# Altium PCB rpi_ERC.PcbDoc
Units mm, origin at the board's own origin, x right, y up, seen from the top; angles counter-clockwise.
Board outline 56 x 76 mm, 2 copper layers (Top Layer, Bottom Layer); 5 components, 10 nets, 71 pads, 1 vias.
Unrouted connection lines stored in the file: 1.
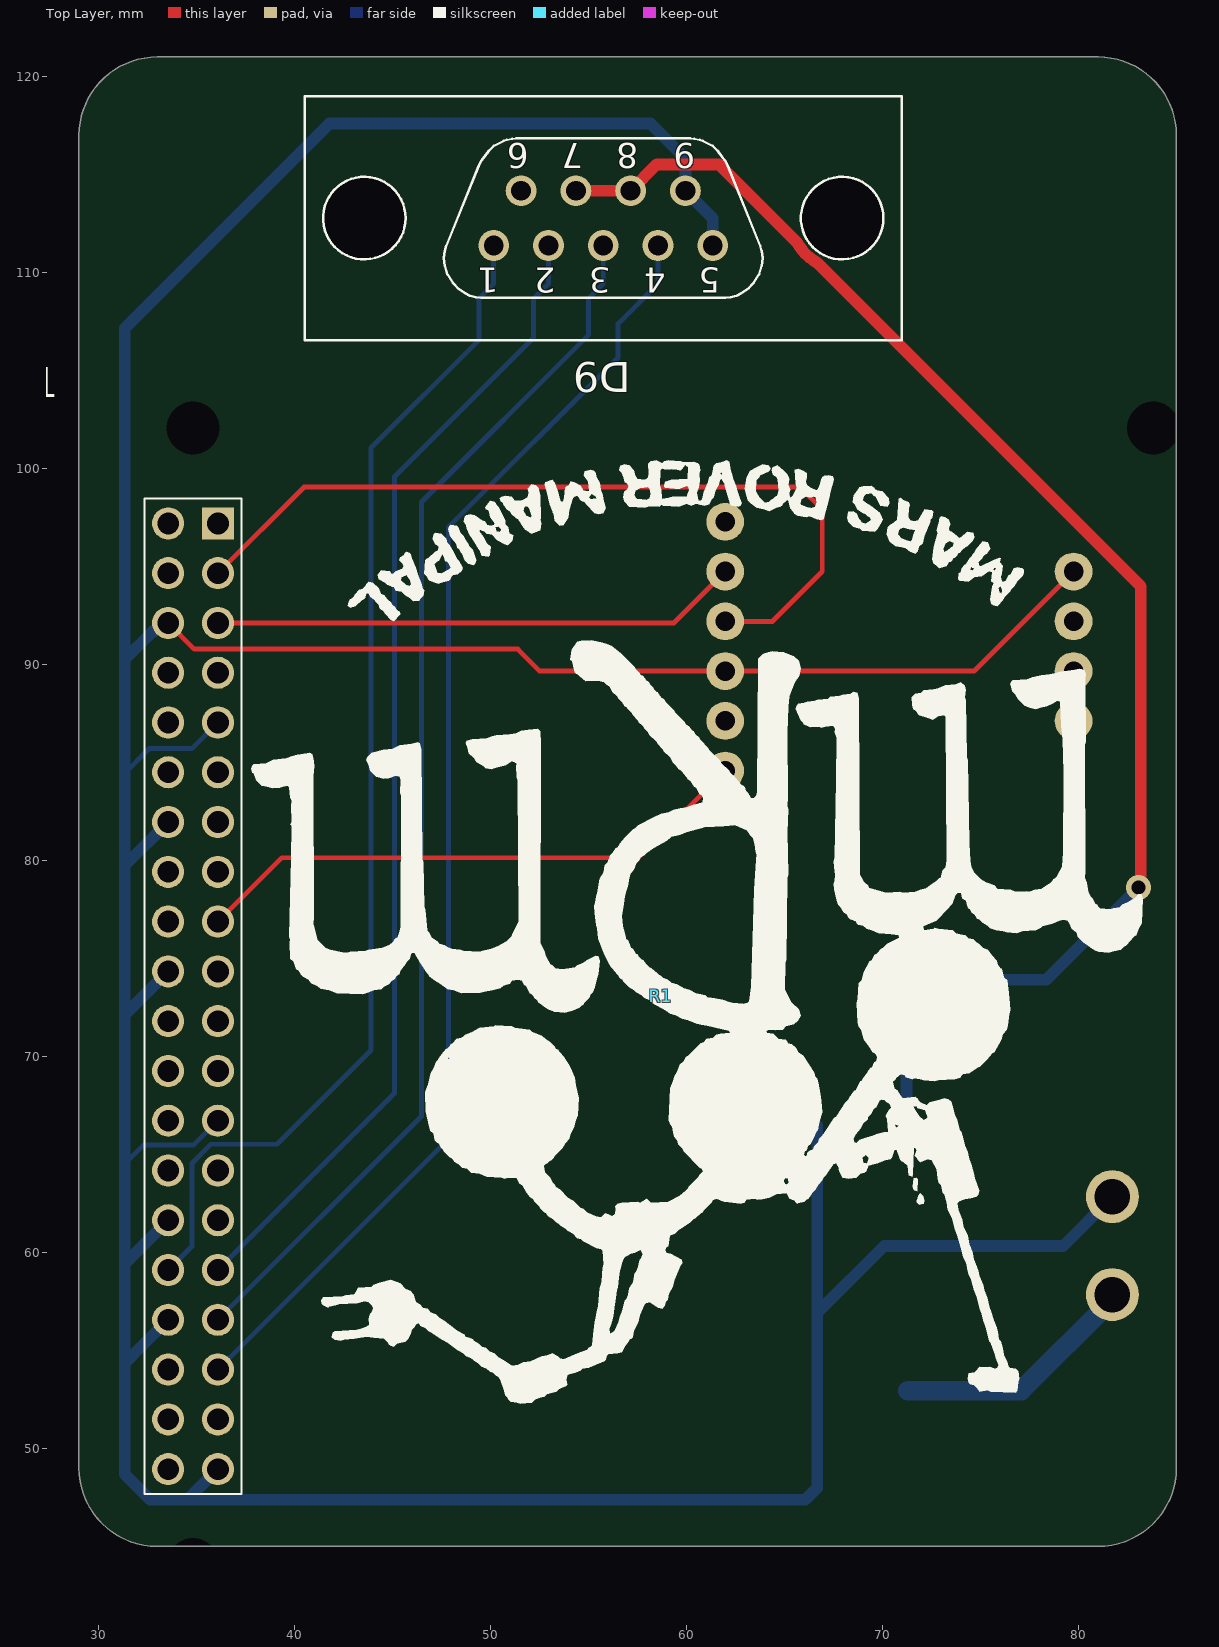
[diagram p0: Top Layer view]
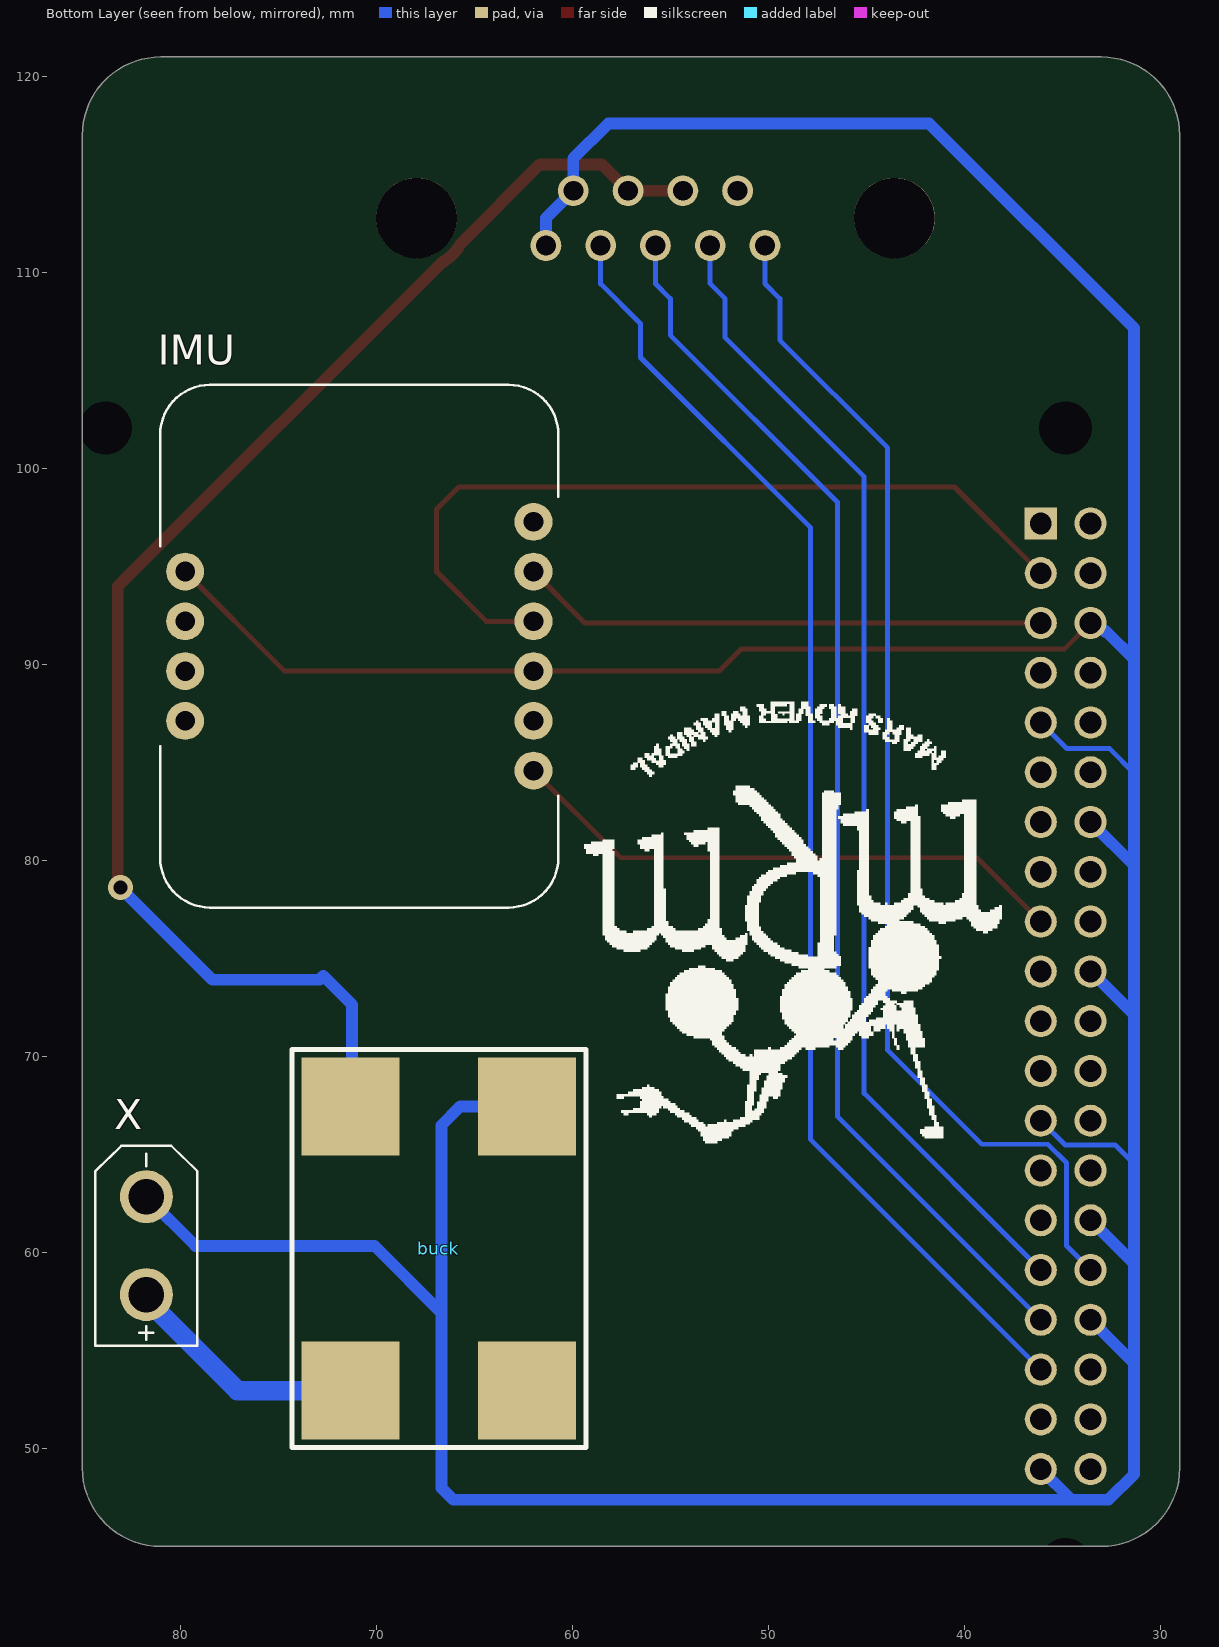
[diagram p1: Bottom Layer view, seen from below]

## Layer stack, top to bottom
Top Solder: solder mask 0.0102, Solder Resist, Dk 3.5
Top Layer: signal copper 0.0356
Dielectric 1: dielectric 0.32, FR-4, Dk 4.8
Bottom Layer: signal copper 0.0356
Bottom Solder: solder mask 0.0102, Solder Resist, Dk 3.5

## Board outline
33,45 cw(c33,49) 29,49 29,117 cw(c33,117) 33,121 81,121 cw(c81,117) 85,117 85,49 cw(c81,49) 81,45

## Design rules (kind name [scope] priority, off if disabled: settings)
Clearance [All] p1: gap=0.254 ignorepadtopadclearanceinfootprint=FALSE
PolygonConnect [All] p1: connectstyle=Relief reliefconductorwidth=0.254 reliefentries=4 polygonreliefangle="90 Angle" airgapwidth=0.254
RoutingVias [All] p1: holewidth=0.711 width=1.27 viastyle="Through Hole" minholewidth=0.711 minwidth=1.27 maxholewidth=0.711 maxwidth=1.27
SolderMaskExpansion [All] p1: expansion=0.102 istentingtop=FALSE
SupplyNets "Schematic Supply Nets_1" [InNet('+12')] p1: voltage=0.000
SupplyNets "Schematic Supply Nets" [InNet('GND')] p2: voltage=0.000
Width [All] p1: maxlimit=2 minlimit=0.254 preferedwidth=0.254 minimp=50.000000 maximp=50.000000 favimp=50.000000
30 further rules are at their usual default settings.

## Components (designator, comment, footprint, x,y, rotation, side; value= is the part's Value field where it differs from the comment)
buck "microbuck" "Micro buck" 66.802,60.198 r180 bottom
D9 "DB9F" D-09F 55.753,112.776 r180 top
IMU "2472" MODULE_2472 70.866,90.932 r90 bottom
R1 "7-534206-0" RASPBERRYPI4B4GB 36.09,97.199 r90 top
X "XT30UPB-M" XT30UPB-M 81.733,60.341 r90 bottom

## Footprints (in the part's own frame and the unit in brackets; to place one, negate y for a bottom-side part, rotate by r counter-clockwise, add the part's x,y. Pads: shape width x height; smd on the part's side, far side on the other; paste and mask are expansions set on the pad)
D-09F [mil]
  round 62 hole 40: 1(220,55) 2(110,55) 3(0,55) 4(-110,55) 5(-220,55) 6(165,-55) 7(55,-55) 8(-55,-55) 9(-165,-55)
  round 162 hole 162 unplated: ""(-480,0) ""(480,0)
  silkscreen extent -600,-245 600,245
"Micro buck" [mm]
  rect 5x5 smd: 1(-4.5,7.25) 2(4.5,7.25) 3(-4.5,-7.25) 4(4.5,-7.25)
  silkscreen extent -7.5,-10.16 7.5,10.16
MODULE_2472 [mil]
  round 76 hole 39.37: 1(-250,-350) 2(-150,-350) 3(-50,-350) 4(50,-350) 5(150,-350) 6(250,-350) 7(150,350) 8(50,350) 9(-50,350) 10(-150,350)
  silkscreen extent -525,-400 525,400, body extent -525,-400 525,400, height 167
RASPBERRYPI4B4GB [mm]
  rect 1.64x1.64 hole 1.11: 1(0,0)
  round 1.64 hole 1.11: 2(0,2.54) 3(-2.54,0) 4(-2.54,2.54) 5(-5.08,0) 6(-5.08,2.54) 7(-7.62,0) 8(-7.62,2.54) 9(-10.16,0) 10(-10.16,2.54) 11(-12.7,0) 12(-12.7,2.54) 13(-15.24,0) 14(-15.24,2.54) 15(-17.78,0) 16(-17.78,2.54) 17(-20.32,0) 18(-20.32,2.54) 19(-22.86,0) 20(-22.86,2.54) 21(-25.4,0) 22(-25.4,2.54) 23(-27.94,0) 24(-27.94,2.54) 25(-30.48,0) 26(-30.48,2.54) 27(-33.02,0) 28(-33.02,2.54) 29(-35.56,0) 30(-35.56,2.54) 31(-38.1,0) 32(-38.1,2.54) 33(-40.64,0) 34(-40.64,2.54) 35(-43.18,0) 36(-43.18,2.54) 37(-45.72,0) 38(-45.72,2.54) 39(-48.26,0) 40(-48.26,2.54)
  round 1.35 hole 2.7 unplated: 41(4.87,1.27) 42(-53.13,1.27) 43(-53.13,-47.73) 44(4.87,-47.73)
  silkscreen extent -49.53,-1.2 1.27,3.74, body extent -80.63,-53.62 8.36,4.78, height 22.43
XT30UPB-M [mm]
  round 2.7 hole 1.8: P$1(-2.5,0) P$2(2.5,0)
  silkscreen extent -5.1,-2.6 5.1,2.6

## Part data
D9: "Adapter Connector D-Sub, 9 Pin Female To Modular, Female Jack, 8p8c _RJ45_ Beige", Package=None, Availability=Unavailable, MF="Assmann WSW", MP=DB9F, Price=None, SnapEDA_Link=https://www.snapeda.com/parts/DB9F/Assmann%20WSW%20Components/view-part/558712/?ref=snap
IMU: "Adafruit 9-DOF Absolute Orientation IMU Fusion Breakout - BNO055", Package="Non-Standard Adafruit", Check_prices=https://www.snapeda.com/parts/2472/Adafruit+Industries/view-part/?ref=eda, MF=Adafruit, MP=2472, SnapEDA_Link=https://www.snapeda.com/parts/2472/Adafruit+Industries/view-part/?ref=snap
R1: "Connector Socket Strip Receptacle 40 Position 2.54mm Solder Straight Through Hole Gang Of Tubes", Package=None, Availability=Unavailable, Centerline_Pitch="2.54 mm[.1 in]", EU_RoHS_Compliance=Compliant, MF="TE Connectivity", MP=7-534206-0, Number_of_Positions=40, Price=None, Product_Type=Connector, SnapEDA_Link=https://www.snapeda.com/parts/7-534206-0/TE%20Connectivity%20AMP%20Connectors/view-part/1924012/?ref=snap, TE_purchase_URL=https://www.te.com/usa-en/product-7-534206-0.html?te_bu=Cor&te_type=disp&te_campaign=seda_glo_cor-seda-global-disp-prtnr-fy19-seda-model-bom-cta_sma-317_1&elqCampaignId=32493
X: "Socket; DC supply; XT30; male; PIN: 2; on PCBs; THT; yellow; 15A; 500V", Package=None, Availability="Not in stock", Check_prices=https://www.snapeda.com/parts/XT30UPB-M/AMASS/view-part/?ref=eda, MF=amass, MP=XT30UPB-M, Price=None, SnapEDA_Link=https://www.snapeda.com/parts/XT30UPB-M/AMASS/view-part/?ref=snap

## Via types
v1: diameter 1.27, hole 0.711, Top Layer to Bottom Layer, 1 vias

## Nets (pads, with @x,y where several pads share a name; then routed paths per layer and width w, separated by ;. In a path a pad name is that pad's centre, name@x,y a point inside that pad or via, vN(x,y) a via of type N, cw(c..) or ccw(c..) an arc to the next point about the centre after c; other vN are vias at no path point)
+12: buck.1 D9.7 D9.8 | length 73.4
  Top Layer w0.6: D9.7 D9.8 58.491,115.514 61.651,115.514 65.669,111.496 ccw(c67.945,112.776) 66.665,110.5 83.185,93.98 83.185,78.74 v1(83.058,78.613)
  Bottom Layer w0.6: buck.1 71.234,67.516 71.234,72.631 72.707,74.105 72.898,73.914 78.359,73.914 v1(83.058,78.613)
GND: buck.2 buck.4 D9.5 D9.9 IMU.3 IMU.7 R1.6 R1.9 R1.14 R1.20 R1.25 R1.30 R1.34 R1.39 X.P$2 | length 252.7
  Top Layer w0.254: R1.6 34.889,90.78 51.392,90.78 52.51,89.662 74.676,89.662 IMU.7
  Bottom Layer w0.254: 31.332,64.516 32.301,65.485 34.856,65.485 R1.25 ; 31.332,84.455 32.577,85.7 34.751,85.7 R1.9
  Bottom Layer w0.6: R1.34 32.239,55.248 31.332,54.341 ; R1.30 31.332,59.421 ; R1.20 31.332,72.121 ; R1.14 31.332,79.741 ; R1.6 33.269,92.119 32.832,91.682 32.754,91.682 31.332,90.26 ; R1.39 34.522,47.371 ; D9.5 61.341,112.776 D9.9 59.944,115.824 58.166,117.602 41.783,117.602 31.332,107.151 31.332,90.26 ; buck.2 65.702,67.448 66.675,66.475 66.675,56.912 ; X.P$2 79.217,60.325 70.088,60.325 66.675,56.912 ; 31.332,54.341 31.332,59.421 ; 31.332,54.341 31.332,48.678 32.639,47.371 34.522,47.371 ; 31.332,59.421 31.332,64.516 31.332,72.121 ; 31.332,72.121 31.332,79.741 ; 31.332,79.741 31.332,84.455 31.332,90.26 ; 34.522,47.371 66.064,47.371 66.675,47.982 66.675,56.912
Netbuck_3: buck.3 X.P$1 | length 12.6
  Bottom Layer w1: buck.3 77.078,52.948 81.733,57.603 X.P$1
NetD9_1: D9.1 R1.32 | length 61.1
  Bottom Layer w0.254: R1.32 34.773,60.322 34.773,64.56 35.731,65.518 39.102,65.518 43.904,70.32 43.904,101.054 49.403,106.553 49.403,108.665 50.165,109.427 D9.1
NetD9_2: D9.2 R1.31 | length 59.3
  Bottom Layer w0.254: R1.31 45.103,68.112 45.103,99.586 52.197,106.68 52.197,108.665 52.959,109.427 D9.2
NetD9_3: D9.3 R1.33 | length 63
  Bottom Layer w0.254: R1.33 46.475,66.944 46.475,98.291 54.991,106.807 54.991,108.664 55.753,109.426 D9.3
NetD9_4: D9.4 R1.35 | length 66.7
  Bottom Layer w0.254: R1.35 47.847,65.776 47.847,96.996 56.515,105.664 56.515,107.393 58.547,109.425 D9.4
NetIMU_1: IMU.1 R1.17 | length 29.1
  Top Layer w0.254: R1.17 39.348,80.137 57.531,80.137 IMU.1
NetIMU_4: IMU.4 R1.3 | length 42.3
  Top Layer w0.254: R1.3 40.491,99.06 65.786,99.06 66.929,97.917 66.929,94.742 64.389,92.202 IMU.4
NetIMU_5: IMU.5 R1.5 | length 27
  Top Layer w0.254: R1.5 59.353,92.119 IMU.5
pads on no net: D9. D9.6 IMU.2 IMU.6 IMU.8 IMU.9 IMU.10 R1.1 R1.2 R1.4 R1.7 R1.8 R1.10 R1.11 R1.12 R1.13 R1.15 R1.16 R1.18 R1.19 R1.21 R1.22 R1.23 R1.24 R1.26 R1.27 R1.28 R1.29 R1.36 R1.37 R1.38 R1.40 R1.41 R1.42 R1.43 R1.44

## Silkscreen, mask and mechanical layers (free items; w line width, h text height)
Top Overlay:
  drawing of 17 lines, arcs and shapes, not listed
Bottom Overlay:
  drawing of 19 lines, arcs and shapes, not listed

## Text inside footprints (layer, text, board x,y; h text height)
D9: Top Overlay "9" at 60.452,116.586 h1.27 r180; Top Overlay "8" at 57.533,116.589 h1.27 r180; Top Overlay "7" at 54.736,116.588 h1.27 r180; Top Overlay "6" at 51.94,116.589 h1.27 r180; Top Overlay "5" at 61.727,110.234 h1.27 r180; Top Overlay "4" at 58.933,110.232 h1.27 r180; Top Overlay "3" at 56.134,110.233 h1.27 r180; Top Overlay "2" at 53.336,110.232 h1.27 r180; Top Overlay "1" at 50.418,110.236 h1.27 r180